# Altium PCB pcb_top.PcbDoc
Units mm, origin at the board's own origin, x right, y up, seen from the top; angles counter-clockwise.
Board outline 116.5 x 88 mm, 2 copper layers (Top Layer, Bottom Layer); 56 components, 32 nets, 257 pads, 27 vias.
Unrouted connection lines stored in the file: 4.
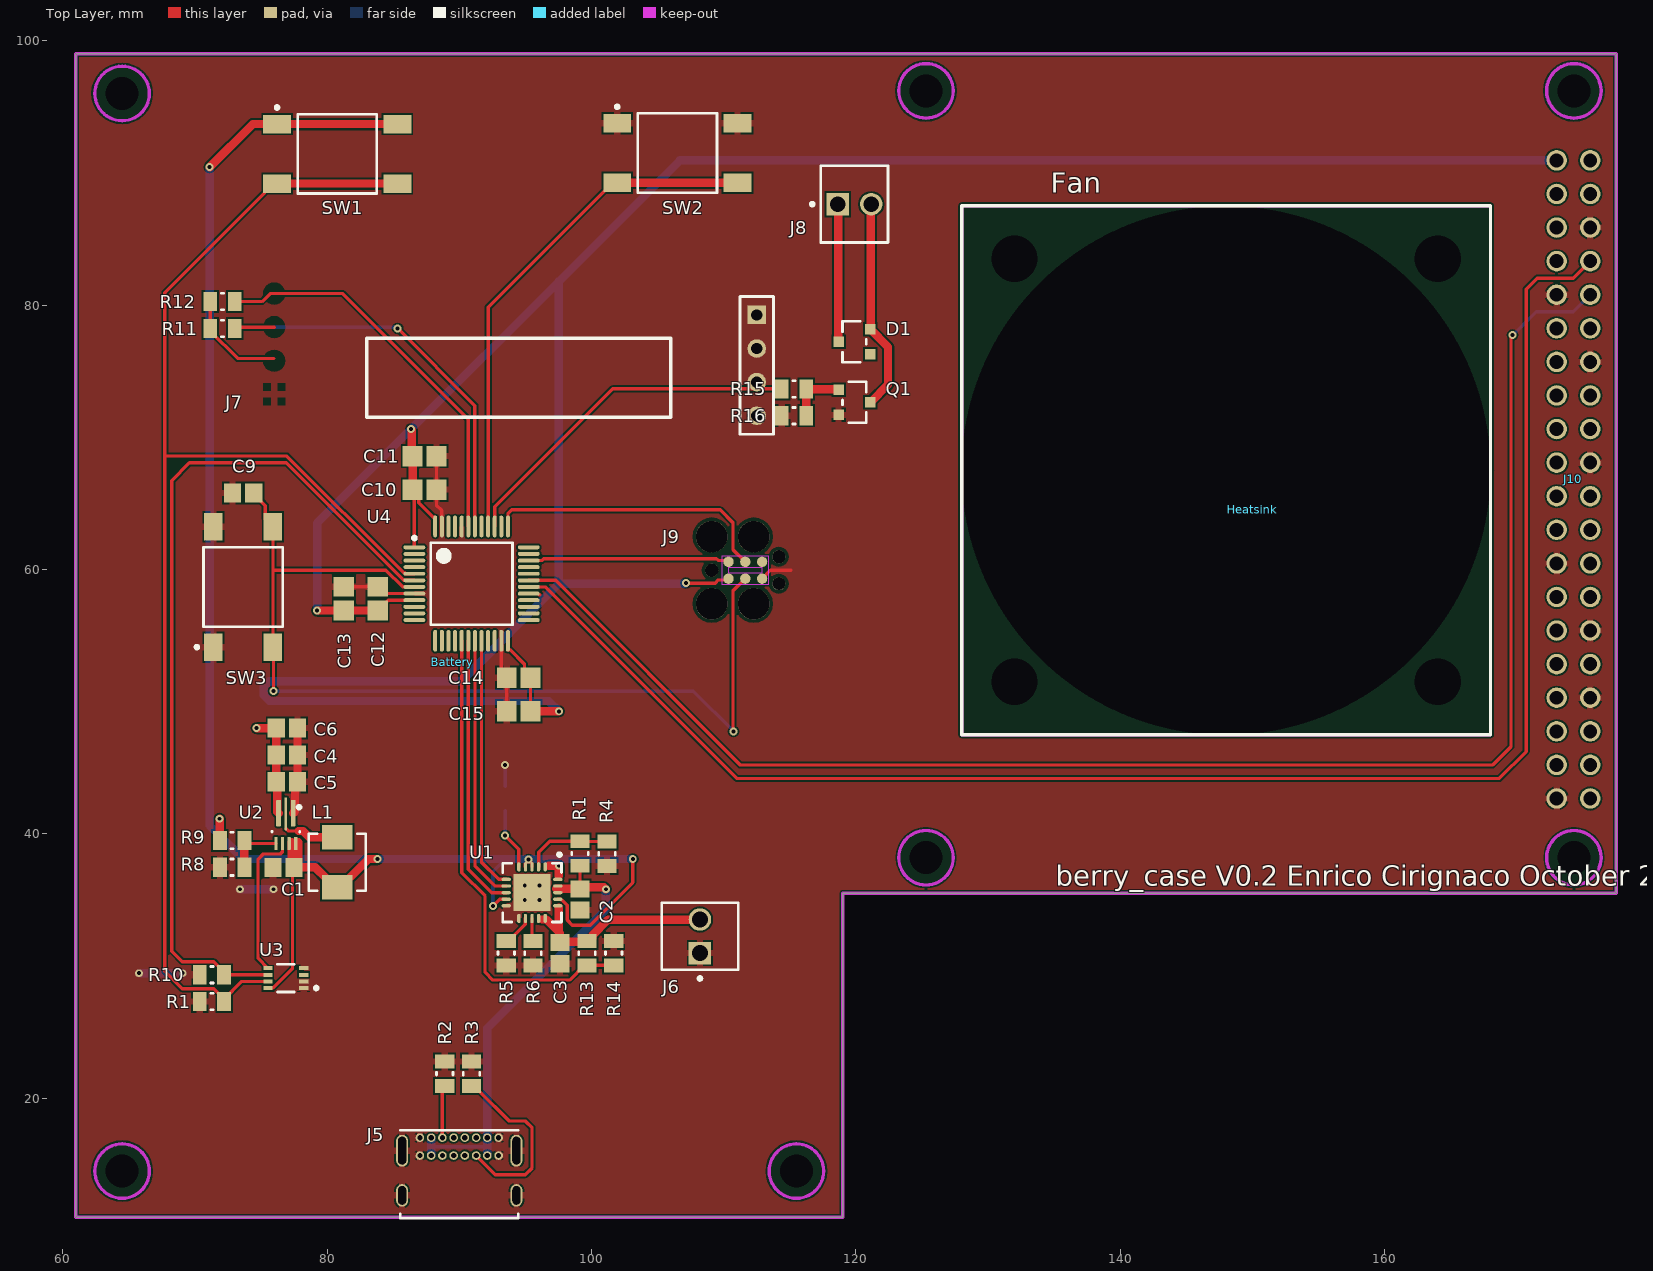
[diagram p0: Top Layer view]
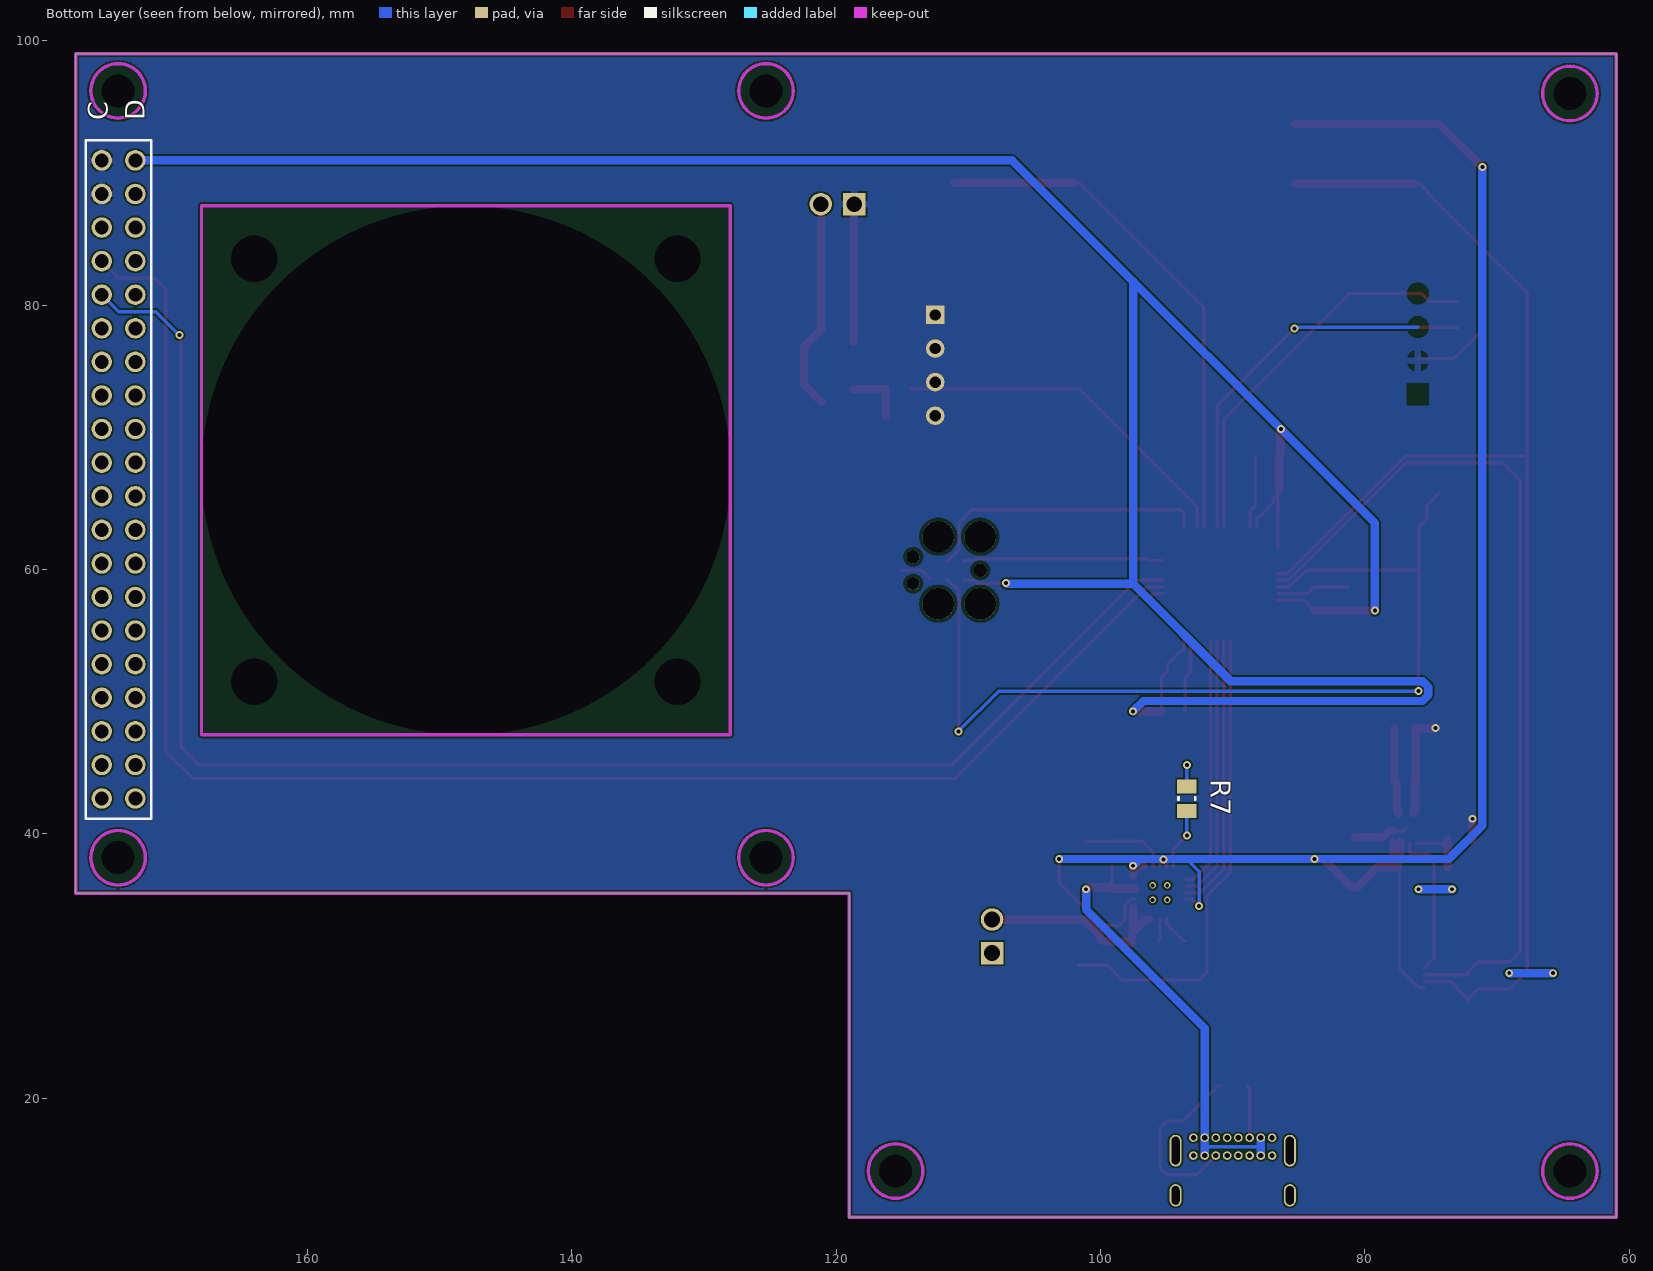
[diagram p1: Bottom Layer view, seen from below]

## Layer stack, top to bottom
Top Solder: solder mask 0.0102, Solder Resist, Dk 3.5
Top Layer: signal copper 0.0356
Dielectric 1: dielectric 0.32, FR-4, Dk 4.8
Bottom Layer: signal copper 0.0356
Bottom Solder: solder mask 0.0102, Solder Resist, Dk 3.5

## Board outline
61,11 61,99 177.5,99 177.5,35.5 119,35.5 119,11

## Design rules (kind name [scope] priority, off if disabled: settings)
BoardOutlineClearance [All] p1: gap=0.2 ignorepadtopadclearanceinfootprint=FALSE
Clearance [All] p1: gap=0.127 ignorepadtopadclearanceinfootprint=FALSE except(0.25: Arc-Hole Track-Hole SMDPad-Hole THPad-Hole Via-Hole Fill-Hole Poly-Hole Region-Hole Text-Hole)
ComponentClearance [All] p1: gap=0.127 collisioncheckmode=3 verticalgap=0.127 showdistances=TRUE
DiffPairsRouting [All] p1: maxlimit=0.254 minlimit=0.127 mostfreqgap=0.127 toplayer_minwidth=0.127 toplayer_maxwidth=25.4 toplayer_prefwidth=0.127 bottomlayer_minwidth=0.127 bottomlayer_maxwidth=25.4 bottomlayer_prefwidth=0.127 maxuncoupledlength=12.7
Height [All] p1: minheight=0 maxheight=1816.048 prefheight=12.7
HoleSize [All] p1: absolutevalues=TRUE maxlimit=100 minlimit=0.3 maxpercent=80.000 minpercent=20.000
HoleToHoleClearance [All] p1: gap=0.25 allowstackedmicrovias=FALSE
MinimumAnnularRing [All] p1: minimumring=0.076
MinimumSolderMaskSliver [All] p1: minsoldermaskwidth=0
PlaneClearance [All] p1: clearance=0.127
PlaneConnect PlaneConnectPowerPads [InPadClass('PowerPads')] p1: planeconnectstyle=Direct reliefexpansion=0.508 reliefentries=4 reliefconductorwidth=0.254 reliefairgap=0.254
PlaneConnect [All] p2: pad.planeconnectstyle=Relief pad.reliefexpansion=0.3 pad.reliefentries=4 pad.reliefconductorwidth=0.127 pad.reliefairgap=0.127 via.planeconnectstyle=Direct via.reliefexpansion=0.3 via.reliefentries=4 via.reliefconductorwidth=0.127 via.reliefairgap=0.127
PolygonConnect PolygonConnectPowerPads [All vs (InPadClass('PowerPads'))] p1: connectstyle=Direct reliefconductorwidth=0.254 reliefentries=4 polygonreliefangle="90 Angle" airgapwidth=0.254
PolygonConnect [All] p2: thpad.connectstyle=Relief thpad.reliefconductorwidth=0.508 thpad.reliefentries=4 thpad.polygonreliefangle="90 Angle" thpad.airgapwidth=0.127 smdpad.connectstyle=Relief smdpad.reliefconductorwidth=0.508 smdpad.reliefentries=4 smdpad.polygonreliefangle="90 Angle" smdpad.airgapwidth=0.127 via.connectstyle=Direct via.reliefconductorwidth=0.127 via.reliefentries=4 via.polygonreliefangle="90 Angle" via.airgapwidth=0.127
RoutingVias [All] p1: holewidth=0.3 width=0.6 viastyle="Through Hole" minholewidth=0.3 minwidth=0.6 maxholewidth=0.6 maxwidth=6.6
SilkToSilkClearance [All] p1: silktosilkclearance=0
SilkToSolderMaskClearance [IsPad] p1: minsilkscreentomaskgap=0.127 clearancetoexposedcopper=TRUE
SolderMaskExpansion [All] p1: expansion=0.075 istentingtop=FALSE
Width [All] p1: maxlimit=0.635 minlimit=0.127 preferedwidth=0.254
20 further rules are at their usual default settings.

## Classes and differential pairs
component class U_raspberry_interface: J10
component class U_MCU: C9 C10 C11 C12 C13 C14 C15 D1 J7 J8 J9 Q1 R11 R12 R13 R14 R15 R16 SW2 SW3 U4
component class U_power_supply: C1 C2 C3 C4 C5 C6 J5 J6 L1 R1 R2 R3 R4 R5 R6 R7 R8 R9 R10 SW1 U1 U2 U3

## Components (designator, comment, footprint, x,y, rotation, side; value= is the part's Value field where it differs from the comment)
Battery "Comment" BATTERY 89.5,53 r0 top locked
C1 "10uF" CAP_0804 76.708,37.465 r0 top
C2 "10uF" CAP_0804 99.142,35.044 r90 top
C3 "10uF" CAP_0804 97.618,30.98 r90 top
C4 "22uF" CAP_0804 76.962,43.942 r180 top
C5 "22uF" CAP_0804 76.962,45.974 r180 top
C6 "22uF" CAP_0804 76.962,48.006 r180 top
C9 "100nF" CAP_0804 73.66,65.786 r0 top
C10 "Cap_0805" CAPC2013X88X50ML20T25 87.376,66.04 r180 top value=100nF
C11 "Cap_0805" CAPC2013X88X50ML20T25 87.376,68.58 r180 top value=4.7uF
C12 "Cap_0805" CAPC2013X88X50ML20T25 83.82,57.796 r270 top value=100nF
C13 "Cap_0805" CAPC2013X88X50ML20T25 81.28,57.796 r270 top value=4.7uF
C14 "Cap_0805" CAPC2013X88X50ML20T25 94.488,51.816 r0 top value=100nF
C15 "Cap_0805" CAPC2013X88X50ML20T25 94.488,49.276 r0 top value=4.7uF
D1 "BAT54C,215" SOT23 119.888,77.216 r180 top
Fan "Comment" FAN_40MM 148,67.5 r0 top locked
Heatsink "Comment" HEATSINK 150,64.5 r270 top locked
J5 "632723300011" GCT_USB4085-GF-A_REVA 90,13 r0 top locked
J6 "3.7V" BATTERY_CONNECTOR 108.204,30.988 r90 top
J7 "Display" OLED_DISPLAY 94.5,76.5 r180 top locked
J8 "Fan" FAN_CONNECTOR 118.618,87.63 r0 top
J9 "SWD Interface" J-LINK_6-PIN_NEEDLE_ADAPTER 109.093,59.944 r0 top
J10 "Raspberry Pi 4" 40P_HEADER 173,42.68 r0 top locked
L1 "IHLP1616BZER1R0M11" FP-IHLP-1616BZ-FP_1_8545x-MFG 80.772,37.846 r90 top
Q1 "AO3400A" SOT23 119.888,72.644 r0 top
R1 "1MOhm" RES_0804 71.295,29.347 r0 top
R1 "270kOhm" RES_0804 99.136,38.517 r270 top
R2 "5.1kOhm" RES_0804 88.9,21.861 r270 top
R3 "5.1kOhm" RES_0804 90.932,21.861 r270 top
R4 "100kOhm" RES_0804 101.168,38.506 r90 top
R5 "100kOhm" RES_0804 93.554,30.98 r90 top
R6 "1kOhm" RES_0804 95.586,30.98 r90 top
R7 "NTC_10kOhm" RES_0804 93.472,42.672 r270 bottom
R8 "783kOhm" RES_0804 72.819,39.507 r180 top
R9 "100kOhm" RES_0804 72.819,37.475 r0 top
R10 "1MOhm" RES_0804 71.295,27.315 r0 top
R11 "4.7kOhm" RES_0804 72.096,78.232 r180 top
R12 "4.7kOhm" RES_0804 72.096,80.264 r180 top
R13 "270kOhm" RES_0804 99.65,30.98 r90 top
R14 "270kOhm" RES_0804 101.682,30.98 r270 top
R15 "1kOhm" RES_0804 115.316,73.66 r0 top
R16 "100kOhm" RES_0804 115.316,71.628 r0 top
SW1 "Push Button" SWITCH 80.772,91.44 r90 top
SW2 "Push Button" SWITCH 106.496,91.492 r90 top
SW3 "Push Button" SWITCH 73.66,58.674 r180 top
U1 "MCP73871T-2CCI" MCP73871T-2CCI 95.504,35.56 r270 top
U2 "TPS61022RWUR" TPS61022 76.883,40.523 r270 top
U3 "NC7SZ74K8X" FP-846AN-MFG 76.883,29.093 r180 top
U4 "STM32F030C6T6TR" STM-LQFP48_M 90.932,58.928 r0 top
? "Comment" MOUNTING_HOLE 115.5,14.5 r0 top
? "Comment" MOUNTING_HOLE 64.5,96 r0 top
? "Comment" MOUNTING_HOLE 64.5,14.5 r0 top
? "Comment" MOUNTING_HOLE 174.3,96.2 r0 top
? "Comment" MOUNTING_HOLE 125.3,38.2 r0 top
? "Comment" MOUNTING_HOLE 174.3,38.2 r0 top
? "Comment" MOUNTING_HOLE 125.3,96.2 r0 top

## Footprints (in the part's own frame and the unit in brackets; to place one, negate y for a bottom-side part, rotate by r counter-clockwise, add the part's x,y. Pads: shape width x height; smd on the part's side, far side on the other; paste and mask are expansions set on the pad)
40P_HEADER [mm] "Board-to-Board Connector, PC104 CD ISA, Stackthrough, Vertical, 2-Row, 40-Postion, Pitch 2.54mm, Receptacle"
  round 1.55 hole 1.05: 1(0,48.26) 2(2.54,48.26) 3(0,45.72) 4(2.54,45.72) 5(0,43.18) 6(2.54,43.18) 7(0,40.64) 8(2.54,40.64) 9(0,38.1) 10(2.54,38.1) 11(0,35.56) 12(2.54,35.56) 13(0,33.02) 14(2.54,33.02) 15(0,30.48) 16(2.54,30.48) 17(0,27.94) 18(2.54,27.94) 19(0,25.4) 20(2.54,25.4) 21(0,22.86) 22(2.54,22.86) 23(0,20.32) 24(2.54,20.32) 25(0,17.78) 26(2.54,17.78) 27(0,15.24) 28(2.54,15.24) 29(0,12.7) 30(2.54,12.7) 31(0,10.16) 32(2.54,10.16) 33(0,7.62) 34(2.54,7.62) 35(0,5.08) 36(2.54,5.08) 37(0,2.54) 38(2.54,2.54) 39(0,0) 40(2.54,0)
  body extent -53.64,-32.27 4.76,56.72, height 8.4
BATTERY [mm]
  body extent -22.38,-31.87 22.38,31.62
BATTERY_CONNECTOR [mm]
  rect 1.7x1.7 hole 1.19: 1(0,0)
  round 1.7 hole 1.19: 2(2.54,0)
  silkscreen extent -2.04,-2.9 3.81,2.9, body extent -1.27,-2.9 3.81,2.9, height 11.72
CAP_0804 [mm] "Chip Capacitor, 2-Leads, Body 2.00x1.25mm, IPC Medium Density"
  rect 1.3x1.45 smd: 1(-0.8,0) 2(0.8,0)
  body extent -1.1,-0.72 1.1,0.72, height 0.88
CAPC2013X88X50ML20T25 [mm] "Chip Capacitor, 2-Leads, Body 2.00x1.25mm, IPC Low Density"
  rect 1.5x1.55 smd: 1(-0.9,0) 2(0.9,0)
  body extent -1.1,-0.72 1.1,0.72, height 0.88
FAN_40MM [mm]
  round 0 hole 40: 13(0,0)
  round 0 hole 3.5: 14(-16,-16) 14(-16,16) 14(16,-16) 14(16,16)
  Top Layer keep-out lines w0.254: -20,-20 20,-20 20,20 -20,20 -20,-20
  Bottom Layer keep-out lines w0.254: -20,-20 20,-20 20,20 -20,20 -20,-20
  silkscreen extent -20,-20 20,20, body extent -20,-20 20,20, height 10
FAN_CONNECTOR [mm]
  rect 1.7x1.7 hole 1.19: 1(0,0)
  round 1.7 hole 1.19: 2(2.54,0)
  silkscreen extent -2.04,-2.9 3.81,2.9, body extent -1.27,-2.9 3.81,2.9, height 11.72
FP-846AN-MFG [mm]
  rect 0.7x0.3 smd paste+0 mask+0: 1(-1.35,0.75) 2(-1.35,0.25) 3(-1.35,-0.25) 4(-1.35,-0.75) 5(1.35,-0.75) 6(1.35,-0.25) 7(1.35,0.25) 8(1.35,0.75)
  silkscreen extent -2.43,-1.05 0.63,1.05, body extent -1.8,-1.15 1.8,1.15, height 0.25
FP-IHLP-1616BZ-FP_1_8545x-MFG [mil]
  rect 73.01x90 smd paste+0 mask+0: 1(-74.5,0) 2(74.5,0)
  silkscreen extent -85,-85 85,85, body extent -115,-89 115,89, height 10
GCT_USB4085-GF-A_REVA [mm] "USB 2.0 Type C Receptacle Dip Type, PCB Top Mount"
  round 0.65 hole 0.4: A1(-2.975,4.025) A4(-2.125,4.025) A5(-1.275,4.025) A6(-0.425,4.025) A7(0.425,4.025) A8(1.275,4.025) A9(2.125,4.025) A12(2.975,4.025) B1(2.975,2.675) B4(2.125,2.675) B5(1.275,2.675) B6(0.425,2.675) B7(-0.425,2.675) B8(-1.275,2.675) B9(-2.125,2.675) B12(-2.975,2.675)
  oval 0.9x1.7 hole 0.6 slot 1.4 at 90 deg: P1(-4.325,-0.335) P1(4.325,-0.335)
  oval 0.9x2.4 hole 0.6 slot 2.1 at 90 deg: P1(-4.325,3.045) P1(4.325,3.045)
  silkscreen extent -4.47,-2.07 4.47,4.58, body extent -4.51,-4.56 4.52,4.61, height 3.46
HEATSINK [mm]
  body extent -34.95,-27.82 35.05,27.78
J-LINK_6-PIN_NEEDLE_ADAPTER [mil]
  round 31 smd: 1(50,-25) 2(50,25) 3(100,-25) 4(100,25) 5(150,-25) 6(150,25)
  round 93.5 hole 93.5 unplated: M1(0,-100) M2(125,-100) M3(125,100) M4(0,100)
  round 39 hole 39 unplated: M5(0,0) M6(200,-40) M7(200,40)
  Top Layer keep-out region: 50,-8 150,-8 150,8 50,8 50,-8
  Top Layer keep-out region: 30,42 30,-42 170,-42 170,42 30,42
MCP73871T-2CCI [mm] "QFN, 20-Leads, Body 4x4mm, Pitch 0.5mm, Thermal Pad 2.8x2.8mm, IPC High Density"
  oval 0.7x0.25 smd: 1(-1.95,1) 2(-1.95,0.5) 3(-1.95,0) 4(-1.95,-0.5) 5(-1.95,-1) 11(1.95,-1) 12(1.95,-0.5) 13(1.95,0) 14(1.95,0.5) 15(1.95,1)
  oval 0.25x0.7 smd: 6(-1,-1.95) 7(-0.5,-1.95) 8(0,-1.95) 9(0.5,-1.95) 10(1,-1.95) 16(1,1.95) 17(0.5,1.95) 18(0,1.95) 19(-0.5,1.95) 20(-1,1.95)
  rect 2.8x2.8 smd: 21(0,0)
  silkscreen extent -3,-2.22 2.23,2.23, body extent -2.07,-2.07 2.08,2.08, height 1
MOUNTING_HOLE [mm]
  round 0 hole 2.5: 15(0,0)
  Top Layer keep-out circle w0.254: c0,0 r2.062
  Bottom Layer keep-out circle w0.254: c0,0 r2.062
  body extent -1.9,-1.9 1.9,1.9, height 2
OLED_DISPLAY [mm]
  rect 1.4x1.4 hole 0.86: 1(-18,-2.75)
  round 1.4 hole 0.86: 2(-18,-0.21) 3(-18,2.33) 4(-18,4.87)
  silkscreen extent -19.27,-4.15 11.5,6.27, body extent -19.45,-4.97 20.55,7.03, height 7.16
RES_0804 [mm] "Chip Resistor, 2-Leads, Body 2.00x1.25mm, IPC Medium Density"
  rect 1.05x1.45 smd: 1(-0.925,0) 2(0.925,0)
  silkscreen extent -0.1,-0.63 0.1,0.63, body extent -1.1,-0.72 1.1,0.72, height 0.5
SOT23 [mm]
  rect 0.8x0.8 smd paste+0 mask+0: 1(-1.2,0.95) 2(-1.2,-0.95) 3(1.2,0)
  silkscreen extent -0.9,-1.55 0.9,1.55, body extent -1.7,-1.78 1.7,1.78, height 0.25
STM-LQFP48_M [mm] "QFP, 48-Leads, Body 7x7mm, Pitch 0.5mm, IPC Low Density"
  oval 1.65x0.3 smd: 1(-4.325,2.75) 2(-4.325,2.25) 3(-4.325,1.75) 4(-4.325,1.25) 5(-4.325,0.75) 6(-4.325,0.25) 7(-4.325,-0.25) 8(-4.325,-0.75) 9(-4.325,-1.25) 10(-4.325,-1.75) 11(-4.325,-2.25) 12(-4.325,-2.75) 25(4.325,-2.75) 26(4.325,-2.25) 27(4.325,-1.75) 28(4.325,-1.25) 29(4.325,-0.75) 30(4.325,-0.25) 31(4.325,0.25) 32(4.325,0.75) 33(4.325,1.25) 34(4.325,1.75) 35(4.325,2.25) 36(4.325,2.75)
  oval 0.3x1.65 smd: 13(-2.75,-4.325) 14(-2.25,-4.325) 15(-1.75,-4.325) 16(-1.25,-4.325) 17(-0.75,-4.325) 18(-0.25,-4.325) 19(0.25,-4.325) 20(0.75,-4.325) 21(1.25,-4.325) 22(1.75,-4.325) 23(2.25,-4.325) 24(2.75,-4.325) 37(2.75,4.325) 38(2.25,4.325) 39(1.75,4.325) 40(1.25,4.325) 41(0.75,4.325) 42(0.25,4.325) 43(-0.25,4.325) 44(-0.75,4.325) 45(-1.25,4.325) 46(-1.75,4.325) 47(-2.25,4.325) 48(-2.75,4.325)
  silkscreen extent -4.45,-3.1 3.1,3.57, body extent -3.5,-3.5 3.5,3.5, height 1.6
SWITCH [mm] "SMD, 4-Leads, Body 6x6mm, Pitch 4.5mm"
  rect 1.4x2.1 smd: 1(2.25,4.55) 2(2.25,-4.55) 3(-2.25,4.55) 4(-2.25,-4.55)
  silkscreen extent -3,-3 3.62,4.67, body extent -3,-5 3,5, height 5.08
TPS61022 [mm]
  rrect29% 2x0.35 smd paste-1000 mask+0: 1(-1.05,0.55) 3(-1.05,-0.55)
  rrect50% 2.5x0.2 smd paste-1000 mask+0: 2(-1,0)
  rrect40% 1x0.25 smd paste+0 mask+0: 4(1.25,-0.75) 5(1.25,-0.25) 6(1.25,0.25) 7(1.25,0.75)
  silkscreen extent -1.62,-1.05 0.38,1.13, body extent -1.3,-1.15 1.3,1.15, height 0.25

## Part data
C1 C2 C3: library part CAP_10UF, Capacitance=0.001uF, Case Size/Dimension=1206, Dielectric=X7R, Manufacturer=AVX, Package Description="2-Pin SMD, Body 3.4 x 1.8 mm", PartNumber=1206GC102KAT1A, Rated Voltage=2000V, Tolerance=10%, Tolerance (%)=±10%, Datasheet URL=https://datasheet.ciiva.com/11787/0900766b80ed4c37-11787781.pdf, Datasheet Version=11/2010, Manufacturer URL=http://www.avx.com/, Mounting Technology=SurfaceMount, Package Reference=1206, Voltage Rating DC=2000V
C4 C5 C6: library part CAP_22UF, Capacitance=0.001uF, Case Size/Dimension=1206, Dielectric=X7R, Manufacturer=AVX, Package Description="2-Pin SMD, Body 3.4 x 1.8 mm", PartNumber=1206GC102KAT1A, Rated Voltage=2000V, Tolerance=10%, Tolerance (%)=±10%, Datasheet URL=https://datasheet.ciiva.com/11787/0900766b80ed4c37-11787781.pdf, Datasheet Version=11/2010, Manufacturer URL=http://www.avx.com/, Mounting Technology=SurfaceMount, Package Reference=1206, Voltage Rating DC=2000V
C9: library part CAP_100NF, Capacitance=0.001uF, Case Size/Dimension=1206, Dielectric=X7R, Manufacturer=AVX, Package Description="2-Pin SMD, Body 3.4 x 1.8 mm", PartNumber=1206GC102KAT1A, Rated Voltage=2000V, Tolerance=10%, Tolerance (%)=±10%, Datasheet URL=https://datasheet.ciiva.com/11787/0900766b80ed4c37-11787781.pdf, Datasheet Version=11/2010, Manufacturer URL=http://www.avx.com/, Mounting Technology=SurfaceMount, Package Reference=1206, Voltage Rating DC=2000V
C10 C11 C12 C13 C14 C15: "Ceramic Capacitor X7R", Voltage Rating=50V
D1: library part DIODE_BAT54C, "Schottky Barrier Diode, 30 V, 3-Pin SOT23, RoHS, Tape and Reel", Current Ifsm=600mA, Diode Case Style=SOT-23, Forward Current If(AV)=200mA, Forward Voltage=800mV, Junction Temperature Tj Max=125degC, Manufacturer="NXP Semiconductors", Operating Temperature Max=150degC, Operating Temperature Min=-65degC, Operating Temperature Range=-65degCto+150degC, Package Description="3-Pin Small Outline Transistor, Body 1.3 x 2.9 mm, Pitch 0.95 mm", Package Reference=SOT23-3, Package Version=Feb-16, Repetitive Reverse Voltage Vrrm Max=30V, Common Connection=Cathode, Datasheet URL=https://datasheet.ciiva.com/33723/1668625-33723936.pdf, Datasheet Version="Rev. 5 , 10/2012", Diode Type=Schottky, Forward Surge Current Ifsm Max=600mA, Forward Voltage VF Max=800mV, Manufacturer URL=http://www.nxp.com/, No. of Pins=3, Package / Case=SOT-23, Package URL=http://www.nxp.com/documents/outline_drawing/SOT23.pdf, Pin Configuration=1A1,2A2,3comK, Reel Quantity=3000, Reverse Recovery Time trr Max=5ns, Reverse Recovery Time trr Typ=5ns, SMD Marking=L43/*W1, SVHC=NoSVHC(19-Dec-2012), Tape Width=8mm, Termination Type=SMD
J5: library part USB_C_FEMALE, "USB 3.1 Type C Receptacle WR-COM, Horizontal, SMT / THT", Contact Resistance=30mOhm, Manufacturer="Wurth Elektronik", Operating Temperature=-40to105degC, Rated Current=5A, Working Voltage=20VDC, Connector Type=USB3.1TypeC, Datasheet URL=https://katalog.we-online.de/em/datasheet/632723x00011%282%29.pdf, Gender=Receptacle, Manufacturer URL=http://www.we-online.de, Mounting Technology=SMT/THT, Orientation=Horizontal, Package Reference=632723300011, Packaging=TapeandReel, Part Number=632723300011, Publisher=WurthElektronik
J6: library part BATTERY, "CONN HEADER VERT 2POS 1.25MM", Ambient Temperature Range High=+85°C, Ambient Temperature Range Low=-40°C, Current Rating=1A, Manufacturer=Molex, Manufacturer Part Number=53047-0210, Package=0, Temperature="-40°C to +85°C", Voltage Rating=125V, Automotive=No, Category=Conn, ComponentLink2Description=Datasheet, ComponentLink2URL=http://www.molex.com/webdocs/datasheets/pdf/en-us/0530470210_PCB_HEADERS.pdf, Conn Gender=Male, Conn Orientation=Vertical, Contact Material=Tin, Device Class L1=Connectors, Device Class L2="Headers and Wire Housings", Device Class L3=unset, Digikey Description="CONN HEADER VERT 2POS 1.25MM", Footprint Url=https://www.molex.com/pdm_docs/sd/530470210_sd.pdf, Height=4.4mm, Lead Free=Yes, Mouser Description="1.25mm Pitch PicoBlade™ Wire-to-Board Header, Vertical, with Friction Lock, 2 Circuits", Number Of Contacts=2, Number Of Rows=1, Octopart=https://octopart.com/53047-0210-molex-276772, Pitch=1.25mm, RoHS=TRUE, Temperature Range High=+85°C, Temperature Range Low=-40°C
J7: library part "Oled Display", "Tiger Claw(TM) Socket Strip, Through-hole, Vertical, -55 to 105 degC, 2 mm Pitch, 4-Pin, Female, RoHS", Manufacturer=Samtec, PartNumber=MMS-104-01-T-SV, Temperature Range="-55 to 105 degC", ComponentLink1Description="Manufacturer URL", ComponentLink1URL=http://www.samtec.com, ComponentLink2Description=Datasheet, ComponentLink2URL=http://www.samtec.com/documents/webfiles/pdf/MMS.PDF, ComponentLink3Description="Package Specification", ComponentLink3URL=http://www.samtec.com/documents/webfiles/cpdf/MMS-1XX-01-XXX-XX-XXX-MKT1.pdf, DatasheetVersion=F-214, Mounting Technology=Through-hole, Orientation=Vertical, PackageDescription="2mm Through Hole Box Connector Strip Assembly", PackageReference=MMS-104-01-X-SV, PackageVersion="AO, 2/1993", Pitch="2 mm", RoHS=True
J8: library part FAN, "Tiger Claw(TM) Socket Strip, Through-hole, Vertical, -55 to 105 degC, 2 mm Pitch, 4-Pin, Female, RoHS", Manufacturer=Samtec, PartNumber=MMS-104-01-T-SV, Temperature Range="-55 to 105 degC", ComponentLink1Description="Manufacturer URL", ComponentLink1URL=http://www.samtec.com, ComponentLink2Description=Datasheet, ComponentLink2URL=http://www.samtec.com/documents/webfiles/pdf/MMS.PDF, ComponentLink3Description="Package Specification", ComponentLink3URL=http://www.samtec.com/documents/webfiles/cpdf/MMS-1XX-01-XXX-XX-XXX-MKT1.pdf, DatasheetVersion=F-214, Mounting Technology=Through-hole, Orientation=Vertical, PackageDescription="2mm Through Hole Box Connector Strip Assembly", PackageReference=MMS-104-01-X-SV, PackageVersion="AO, 2/1993", Pitch="2 mm", RoHS=True
J9: library part J-Link_6-pin_Needle_Adapter, "J-Link 6-pin Needle Adapter"
J10: library part RASPBERRY_PI4, "Raspberry Pi 4 with Headers_", Package=None, Availability=Unavailable, MF="Raspberry Pi", MP=ADA3708, Price=None, SnapEDA_Link=https://www.snapeda.com/parts/ADA3708/Raspberry%20Pi/view-part/2770118/?ref=snap
L1: library part CMP-02424-000223-1, "Fixed Inductors Commercial Low DCR Series SMT 1uH 4.5A 27mΩ 20%", Case Code (Imperial)=1616, Case Code (Metric)=4040, Current Rating=4.5A, DC Resistance (DCR)=27mR, Inductance=1uH, Inductance Tolerance=20%, Max Operating Temperature=125°C, Min Operating Temperature=-55°C, Package Quantity=4000, Saturation Current=5A, Self Resonant Frequency=64MHz, Test Frequency=100kHz, Case/Package=1616, Contact Plating=Tin, Core Material=Ferrite, Depth=4.31mm, Height=2mm, Height - Seated (Max)=0.079inch, Lead Free="Lead Free", Length=4.7mm, Max DC Current=4.5A, Military Standard=Not, Mount="Surface Mount", Number of Pins=1616, Packaging="Tape and Reel", Radiation Hardening=No, RMS Current (Irms)=4.5A, Shielding=Shielded, Termination=SMD/SMT, Tolerance=20%, Width=0.16inch
Q1: library part MOSFET_AO3400A, "MOSFET N-CH 30V 5.7A SOT23", Case/Package=SOT-23, Continuous Drain Current (ID)=5.7A, Drain to Source Voltage (Vdss)=30V, Gate to Source Voltage (Vgs)=12V, Input Capacitance=630pF, Max Operating Temperature=150°C, Max Power Dissipation=1.4W, Min Operating Temperature=-55°C, Lead Free="Lead Free", Mount="Surface Mount", Number of Elements=1, Number of Pins=3, Packaging="Tape and Reel", Power Dissipation=1.4W, Radiation Hardening=No, Rds On Max=26.5mR
R1 R4 R5 R9 R10 R16: library part RES_100K, Manufacturer="Vishay Dale", Part Number=CRCW120647K0FKEA
R1 R13 R14: library part RES_270K, Manufacturer="Vishay Dale", Part Number=CRCW120647K0FKEA
R2 R3: library part RES_5.1K, Manufacturer="Vishay Dale", Part Number=CRCW120647K0FKEA
R6 R15: library part RES_1K, Manufacturer="Vishay Dale", Part Number=CRCW120647K0FKEA
R7: library part NTC_10K, Manufacturer="Vishay Dale", Part Number=NTHS1206N02N1002JE
R8: library part RES_783K, Manufacturer="Vishay Dale", Part Number=CRCW120647K0FKEA
R11 R12: library part RES_4.7K, Manufacturer="Vishay Dale", Part Number=CRCW120647K0FKEA
SW1 SW2 SW3: library part SWITCH, "Micro Miniature Push Button Switch FSM JSM, 50 mA, -35 to 85 degC, 4-Pin SMD, RoHS, Tape and Reel", Capacitance=0f, Case\/Package=SMD/SMT, Contact Current Rating=50mA, Contact Resistance=100mOhm, Manufacturer="TE Connectivity", Max Operating Temperature=85degC, Max Voltage Rating (DC)=12V, Min Operating Temperature=-35degC, Operating Force=160gf, Package Description="4-Pin Surface Mount Device, Body 6 x 6 mm, Pitch 4.5 mm", Package Quantity=1200, Package Reference=FSM4JSMATR, Voltage Rating (DC)=24V, Actuator Length=0.055inch, Actuator Material=Polyamide, Contact Material=CopperAlloy, Contact Plating=Silver, Current Rating=50mA, Datasheet URL=http://www.te.com/commerce/DocumentDelivery/DDEController?Action=showdoc&DocId=Customer+Drawing%7F2-1437565-7%7FV%7Fpdf%7FEnglish%7FENG_CD_2-1437565-7_V.pdf%7F4-1437565-2, Datasheet Version="Rev. V, 02/2015", Electrical Life=100000Cycles, Illumination Type=Illuminated, Manufacturer URL=http://www.te.com/, Mechanical Life=100000Cycles, Mount=SurfaceMount, Mounting Technology=SurfaceMount, Orientation=Straight, Packaging=TapeandReel, REACH SVHC=Unknown, RoHSCompliant=true, Switch Travel=0.25mm, Termination=GullWing, Throw Configuration=SPST
U1: "Stand-Alone System Load Sharing and Li-Ion/Li-Polymer Battery Charge Management Controller, 4.4V, 20-Pin QFN, Industrial Temperature, Tape and Reel", DatasheetVersion="revB, May-2009", PackageDescription="20-Lead Plastic Quad Flat, No Lead Package (ML) - 4x4x0.9 mm Body [QFN]", PackageReference=QFN-ML20, PackageVersion="revBB, Aug-2009"
U2: library part TPS61022, "5V BOOST", Manufacturer="Texas Instruments", Max Junction Temp=+125°C, Max Supply Voltage=5.5V, Min Supply Voltage=0.5V, Nominal Supply Current=27uA, Output Current=8A, Output Voltage=2.2-5.5V, Package=RWU0007A, Switching Frequency=600-1000kHz, Temperature="-40°C to +125°C", Temperature Range Low=-40°C, Automotive=No, Category=IC, ComponentLink2Description=Datasheet, ComponentLink2URL=http://www.ti.com/lit/ds/symlink/tps61022.pdf, Device Class L1="Integrated Circuits (ICs)", Device Class L2="Power Management ICs", Device Class L3="Voltage Regulators - Switching", Digikey Description="POWER MANAGEMENT", Height=1mm, Lead Free=Yes, Manufacturer Part Number=TPS61022RWUR, Max Duty Cycle=97%, Mouser Description="8-A boost converter with 0.5-V ultra-low input voltage 7-VQFN-HR -40 to 125", Number Of Outputs=1, Octopart=https://octopart.com/tps61022rwur-texas+instruments-100045592, Output Type=AdjustableProgrammable, RoHS=TRUE, Standoff Height=0mm, Switching Topology=Boost, Temperature Range High=+125°C
U3: library part CMP-07113-000002-1, "IC FF D-TYPE SNGL 1BIT US8", Ambient Temperature Range High=+85°C, Ambient Temperature Range Low=-40°C, Frequency=250MHz, Manufacturer="ON Semiconductor", Max Junction Temp=+150°C, Max Supply Voltage=5.5V, Min Supply Voltage=1.65V, Package=846AN, Quiescent Current=1uA, Temperature="to +150°C", Automotive=No, Category=IC, ComponentLink2Description=Datasheet, ComponentLink2URL=https://www.onsemi.com/pub/Collateral/NC7SZ74-D.PDF, Device Class L1="Integrated Circuits (ICs)", Device Class L2="Logic ICs", Device Class L3="Latches and Flip Flops", Digikey Description="IC FF D-TYPE SNGL 1BIT US8", Footprint Url=https://www.onsemi.com/pub/Collateral/846AN.PDF, Height=0.9mm, Ipc Land Pattern Name=SOP50P200X90-8, Lead Free=Yes, Logic Function Desc=Non-inverting, Manufacturer Part Number=NC7SZ74K8X, Mouser Description="Flip Flops TinyLogic UHS D-Type", Number Of Circuits=1, Number Of Inputs=1, Number Of Outputs=2, Octopart=https://octopart.com/nc7sz74k8x-on+semiconductor-84330810, Propagation Delay=2.6ns, RoHS=TRUE, Standoff Height=0mm, Temperature Range High=+150°C
U4: library part STM-STM32F030C6-LQFP48_A, "ARM Cortex-M0 32-bit MCU, 32 KB Flash, 4 KB Internal RAM, 39 I/Os, 48-Pin LQFP, -40 to 85 degC, Tape and Reel", I/Os (High Current)=39, Manufacturer=STMicroelectronics, Operating Frequency(F) (Processor speed) (MHz)=48, Package Description="48-Pin Low Profile Quad Flat Package, Body 7 x 7 mm, Pitch 0.5 mm", Package Reference=LQFP48, Supply Voltage(Vcc) min (V)=2.4, ComponentLink1Description="Manufacturer URL", ComponentLink1URL=http://www.st.com/, ComponentLink2Description=Datasheet, ComponentLink2URL=http://www.st.com/st-web-ui/static/active/en/resource/technical/document/datasheet/DM00088500.pdf, Core="ARM Cortex-M0", DatasheetVersion="Rev. 2", FLASH Size (Prog) (kB)=32, Internal RAM Size (kB)=4, Mounting Technology="Surface Mount", Packing="Tape and Reel", PartNumber=STM32F030C6T6TR

## Via types
v1: diameter 0.6, hole 0.3, Top Layer to Bottom Layer, 23 vias
v2: diameter 0.5, hole 0.3, Top Layer to Bottom Layer, 4 vias

## Nets (pads, with @x,y where several pads share a name; then routed paths per layer and width w, separated by ;. In a path a pad name is that pad's centre, name@x,y a point inside that pad or via, vN(x,y) a via of type N, cw(c..) or ccw(c..) an arc to the next point about the centre after c; other vN are vias at no path point)
+3V3: C10.2 C11.2 C12.2 C13.2 C14.2 C15.2 J9.1 J10.1 U4.1 U4.9 U4.24 U4.48 | length 224.7
  Top Layer w0.254: C12.2 83.845,56.896 84.627,57.678 U4.9 ; C10.2 86.607,65.909 C10.2@86.607,65.486 ; U4.1 C10.2@86.607,65.486 ; U4.48 88.182,63.916 88.161,63.937 88.025,63.937 86.929,65.033 86.929,65.392 86.835,65.486 C10.2@86.607,65.486 ; U4.24 93.682,53.94 93.703,53.919 93.839,53.919 94.935,52.823 94.935,52.269 C14.2 C15.2 ; v1(107.148,58.968) 109.351,58.968 109.59,59.207 110.261,59.207 J9.1
  Top Layer w0.635: v1(79.248,56.896) C13.2 C12.2 ; v1(86.36,70.612) 86.418,70.554 86.418,68.638 C11.2 C10.2 ; C15.2 v1(97.536,49.276)
  Bottom Layer w0.635: v1(79.248,56.896) 79.248,63.5 v1(86.36,70.612) 97.536,81.788 ; v1(97.536,49.276) 96.756,50.056 75.638,50.056 75.202,50.492 75.202,51.108 75.638,51.544 90.152,51.544 97.536,58.928 ; v1(107.148,58.968) 107.107,58.928 97.536,58.928 ; J10.1 106.688,90.94 97.536,81.788 ; 97.536,58.928 97.536,81.788
+5V: C4.2 C5.2 C6.2 D1.3 J7.2 J8.1 J10.2 J10.4 R8.2 R11.2 R12.2 U2.3 | length 28
  Top Layer w0.254: R12.2 R11.2 71.171,78.032 73.243,75.96 75.958,75.96
  Top Layer w0.635: v1(71.882,41.148) 71.894,41.136 R8.2 ; v1(74.676,48.006) C6.2 C5.2 C4.2 76.248,43.856 76.248,41.658 U2.3 ; J8.1 118.653,87.595 118.653,77.251 D1.3
GND: C1.1 C2.1 C3.1 C4.1 C5.1 C6.1 C9.1 C10.1 C11.1 C12.1 C13.1 C14.1 C15.1 J5.A1 J5.A12 J5.B1 J5.B12 J5.P1 J6.1 J7.1 J9.5 J10.6 J10.9 J10.14 J10.20 J10.25 J10.30 J10.34 J10.39 Q1.2 R1.1@70.37,29.347 R2.1 R3.1 R4.1 R5.1 R6.1 R7.1 R9.1 R10.1 R14.1 R16.1 SW2.1 SW2.2 SW3.1 SW3.2 U1.10 U1.11 U1.21 U2.1 U3.1 U3.2 U3.4 U4.8 U4.23 U4.44 U4.47 | length 33
  Top Layer w0.254: C13.1 C12.1 84.338,58.178 U4.8 ; C11.1 C10.1 88.276,64.869 88.682,64.463 U4.47 ; U4.23 93.182,52.222 C14.1 C15.1 ; J9.5 113.538,59.944 115.062,59.944
  Top Layer w0.635: U2.1 77.575,41.715 77.575,43.755 C4.1 C5.1 C6.1
  Bottom Layer w0.254: R7.1 v1(93.472,45.212)
  Bottom Layer w0.635: v1(65.786,29.464) v1(69.088,29.464) ; v1(73.406,35.814) v1(75.946,35.814)
  other v2: 94.954,35.01 96.054,35.01 94.954,36.11 96.054,36.11
NetC9_2: C9.2 J9.3 SW3.3 SW3.4 U4.7 | length 74.8
  Top Layer w0.254: C9.2 74.46,65.711 75.337,64.834 75.337,63.797 SW3.4 75.91,59.944 ; SW3.3 75.91,59.944 ; v1(75.946,50.8) SW3.3@75.946,54.124 ; U4.7 86.598,58.687 85.713,58.687 84.456,59.944 75.91,59.944 ; v1(110.744,47.752) 110.704,47.792 110.704,58.38 J9.3
  Bottom Layer w0.254: v1(75.946,50.8) 107.696,50.8 v1(110.744,47.752)
NetD1_2: D1.2 J8.2 Q1.3 | length 16.1
  Top Layer w0.635: Q1.3 122.428,73.984 122.428,76.826 D1.2 121.123,78.201 121.123,87.595 J8.2
NetJ5_A5: J5.A5 R2.2 | length 4
  Top Layer w0.254: J5.A5 88.725,20.761 R2.2
NetJ5_B5: J5.B5 R3.2 | length 14
  Top Layer w0.254: R3.2 91.132,20.936 91.53,20.538 93.78,18.288 94.996,18.288 95.504,17.78 95.504,14.732 94.996,14.224 92.726,14.224 J5.B5
NetJ7_3: J7.3 R11.1 U4.42 | length 29.8
  Top Layer w0.254: R11.1 73.119,78.33 76,78.33 ; v1(85.344,78.232) 91.182,72.394 U4.42
  Bottom Layer w0.254: 76,78.33 85.246,78.33 v1(85.344,78.232)
NetJ7_4: J7.4 R12.1 U4.43 | length 30
  Top Layer w0.254: R12.1 75.084,80.264 75.69,80.87 76,80.87 81.182,80.87 90.682,71.37 U4.43
NetJ9_2: J9.2 U4.34 | length 15.3
  Top Layer w0.254: U4.34 96.238,60.678 96.376,60.816 109.454,60.816 109.59,60.681 110.261,60.681 J9.2
NetJ9_4: J9.4 U4.37 | length 21.9
  Top Layer w0.254: U4.37 93.682,64.218 93.98,64.516 109.728,64.516 110.704,63.54 110.704,61.508 J9.4
NetJ10_8: J10.8 U4.30 | length 123
  Top Layer w0.254: U4.30 96.516,58.678 110.998,44.196 168.656,44.196 170.688,46.228 170.688,81.188 171.536,82.036 174.256,82.036 J10.8
NetJ10_10: J10.10 U4.31 | length 119
  Top Layer w0.254: U4.31 97.286,59.178 111.252,45.212 168.148,45.212 169.545,46.609 169.545,77.597 v1(169.672,77.724)
  Bottom Layer w0.254: v1(169.672,77.724) 171.45,79.502 174.262,79.502 J10.10
NetL1_2: L1.2 U2.2 | length 4.1
  Top Layer w0.254: U2.2@76.91,40.4 77.093,40.218 77.841,40.218
  Top Layer w0.635: 77.841,40.218 78.197,40.218 78.676,39.738 L1.2
NetQ1_1: Q1.1 R15.2 R16.2 | length 4.5
  Top Layer w0.635: R16.2 R15.2 116.274,73.627 118.655,73.627 Q1.1
NetR1_1: R1.1@99.136,39.442 R4.2 U1.2 | length 6.6
  Top Layer w0.254: U1.2 96.004,38.608 96.838,39.442 99.136,39.442 99.147,39.431 R4.2
NetR1_2: R1.2@72.22,29.347 U3.6 U4.6 | length 66.3
  Top Layer w0.254: U3.6 72.224,29.343 72.22,29.347 72.22,29.547 71.441,30.326 69.046,30.326 68.247,31.125 68.247,66.723 69.596,68.072 76.928,68.072 85.23,59.77 85.813,59.187 86.598,59.187 U4.6
NetR5_2: R5.2 U1.12 | length 2.4
  Top Layer w0.254: R5.2 93.754,31.905 95.002,33.153 95.002,33.608 U1.12
NetR6_2: R6.2 U1.13 | length 1.7
  Top Layer w0.254: U1.13 95.504,31.987 R6.2
NetR7_2: R7.2 U1.5 | length 4.7
  Top Layer w0.254: v1(93.472,39.878) 94.504,38.846 U1.5
  Bottom Layer w0.254: v1(93.472,39.878) R7.2
NetR8_1: R8.1 R9.2 U2.4 | length 4.5
  Top Layer w0.254: R8.1 73.978,39.273 U2.4
  Top Layer w0.635: R9.2 R8.1
NetR10_2: R10.2 SW1.3 SW1.4 U3.7 U4.5 | length 104.4
  Top Layer w0.254: R10.2 R10.2@72.22,27.515 ; U3.7 73.548,28.843 R10.2@72.22,27.515 ; SW1.3 75.872,89.19 75.299,88.617 75.299,88.507 67.739,80.947 67.739,68.58 ; U4.5 85.92,59.678 85.824,59.774 85.765,59.774 85.528,60.011 85.528,60.014 76.962,68.58 67.739,68.58 ; 67.739,68.58 67.739,29.601 69.046,28.294 71.441,28.294 R10.2@72.22,27.515
  Top Layer w0.635: SW1.3 SW1.4
NetR13_1: R13.1 R14.2 U4.17 | length 36.2
  Top Layer w0.254: U4.17 90.182,37.072 91.948,35.306 91.948,29.538 92.538,28.948 98.343,28.948 99.45,30.055 R13.1 R14.2
NetR15_1: R15.1 U4.39 | length 26.9
  Top Layer w0.254: U4.39 92.682,64.742 101.6,73.66 R15.1
NetSW2_3: SW2.3 SW2.4 U4.40 | length 39.3
  Top Layer w0.254: U4.40 92.182,79.828 101.596,89.242 SW2.3
  Top Layer w0.635: SW2.3 SW2.4
NetU1_6: U1.6 U4.20 | length 19.2
  Top Layer w0.254: U4.20 91.682,37.858 92.98,36.56 U1.6
NetU1_7: U1.7 U4.19 | length 20
  Top Layer w0.254: U4.19 91.186,54.599 91.186,37.592 92.718,36.06 U1.7
NetU1_8: U1.8 U4.18 | length 20.9
  Top Layer w0.254: U4.18 90.682,37.334 92.456,35.56 U1.8
NetU2_5: U2.5 U3.5 | length 11.3
  Top Layer w0.254: U3.5 74.781,30.595 74.781,38.078 75.184,38.481 76.454,38.481 76.631,38.658 76.631,39.271 U2.5
VBAT: C1.2 L1.1 SW1.1 SW1.2 U1.1 U1.3 U1.4 U1.9 U1.17 U1.20 U2.6 U2.7 U3.8 | length 138.3
  Top Layer w0.254: U3.8 75.556,28.366 75.915,28.366 77.391,29.842 77.391,37.348 C1.2 ; v1(92.538,34.536) 93.06,35.058 93.552,35.058 U1.9 ; U1.4 95.004,37.731 95.184,37.911 95.184,38.011 95.224,38.011 95.504,37.731 U1.3 ; U1.17 97.675,35.06 97.735,35.001 97.774,35.001 98.058,34.717 98.058,34.715 98.163,34.61 98.163,33.489 98.552,33.1 99.902,33.1 103.124,36.322 v1(103.124,38.1)
  Top Layer w0.635: v1(71.12,90.424) 74.386,93.69 SW1.1 SW1.2 ; 77.343,39.37 77.343,38.011 C1.2@77.508,37.846 ; C1.2 79.11,37.465 79.947,36.629 79.947,36.564 80.556,35.954 L1.1 80.988,35.954 83.134,38.1 v1(83.82,38.1) ; C1.2@77.84,37.973 77.84,39.37 ; 96.774,37.592 v1(97.536,37.592) 97.536,36.83
  Bottom Layer w0.254: v1(92.538,34.536) 92.538,37.142 93.496,38.1
  Bottom Layer w0.635: v1(71.12,90.424) 71.12,40.64 73.66,38.1 93.496,38.1 97.028,38.1 ; v1(97.536,37.592) 97.028,38.1 ; v1(103.124,38.1) 97.028,38.1
  other v1: 95.25,38.077
VBUS: C2.2 J5.A4 J5.A9 J5.B4 J5.B9 R1.2@99.136,37.592 U1.18 U1.19 | length 35.1
  Top Layer w0.254: R1.2@99.136,37.592 99.136,35.85 C2.2
  Top Layer w0.635: 97.348,35.865 99.02,35.865 99.07,35.916 C2.2@99.136,35.85 ; C2.2 99.254,35.956 100.95,35.956 v1(101.092,35.814)
  Bottom Layer w0.254: 87.875,16.35 92.125,16.35
  Bottom Layer w0.635: J5.B9 87.875,16.35 J5.A4 ; J5.B4 92.125,16.35 J5.A9 92.125,25.323 101.092,34.29 v1(101.092,35.814)
VCELL: C3.2 J6.2 R13.2 U1.14 U1.15 U1.16 | length 16
  Top Layer w0.254: U1.16 97.536,34.56 97.536,34.429
  Top Layer w0.635: 96.266,33.528 96.504,33.528 96.586,33.528 97.536,32.578 ; 97.536,34.429 97.536,32.578 ; J6.2 108.196,33.52 101.265,33.52 100.058,32.312 100.058,32.113 99.85,31.905 R13.2 99.588,31.843 97.681,31.843 C3.2 97.618,32.496 97.536,32.578
pads on no net: ?.15 D1.1 Fan.13 Fan.14 J5.A6 J5.A7 J5.A8 J5.B6 J5.B7 J5.B8 J9.6 J9.M1 J9.M2 J9.M3 J9.M4 J9.M5 J9.M6 J9.M7 J10.3 J10.5 J10.7 J10.11 J10.12 J10.13 J10.15 J10.16 J10.17 J10.18 J10.19 J10.21 J10.22 J10.23 J10.24 J10.26 J10.27 J10.28 J10.29 J10.31 J10.32 J10.33 J10.35 J10.36 J10.37 J10.38 J10.40 U3.3 U4.2 U4.3 U4.4 U4.10 U4.11 U4.12 U4.13 U4.14 U4.15 U4.16 U4.21 U4.22 U4.25 U4.26 U4.27 U4.28 U4.29 U4.32 U4.33 U4.35 U4.36 U4.38 U4.41 U4.45 U4.46
copper on no net: | length 0.9
  Top Layer w0.254: 95.257,58.178 95.944,58.178 96.04,58.082 96.099,58.082

## Polygon pours and split planes (outlines as drawn)
+5V on Bottom Layer "+5V_L02_P003" (solid, remove dead copper, pour order 3): 177.5,99.5 61,99.5 61,11 119,11 119,34.5 177.5,34.5
GND on Top Layer "GND_L01_P004" (solid, remove dead copper, pour order 4): 177.5,99.5 61,99.5 61,11 119,11 119,34.5 177.5,34.5

## Keep-outs
Top Layer:
  the board outline again, w0.254
Bottom Layer:
  the board outline again, w0.254

## Silkscreen, mask and mechanical layers (free items; w line width, h text height)
Top Overlay:
  text "berry_case V0.2 Enrico Cirignaco October 2020" at 135.128,36.068 h1.52
Mechanical 1:
  lines w0.254: 119,34.3 119,34.5 119,35.5 120.149,35.5 177.5,35.5 177.5,99 61,99 61,11 119,11 119,34.351

## Text inside footprints (layer, text, board x,y; h text height)
J5: Top Component Center ">PCB Edge" at 95.7,10.925 h1.57
J10: Bottom Overlay "D" at 172.303,93.987 h1.5 r270; Bottom Overlay "C" at 175.097,93.987 h1.5 r270